# Altium PCB PCB.PcbDoc
Units mil, origin at the board's own origin, x right, y up, seen from the top; angles counter-clockwise.
Board outline 1968.5 x 1968.5 mil, 2 copper layers (Top Layer, Bottom Layer); 63 components, 39 nets, 226 pads, 64 vias.
Unrouted connection lines stored in the file: 153.
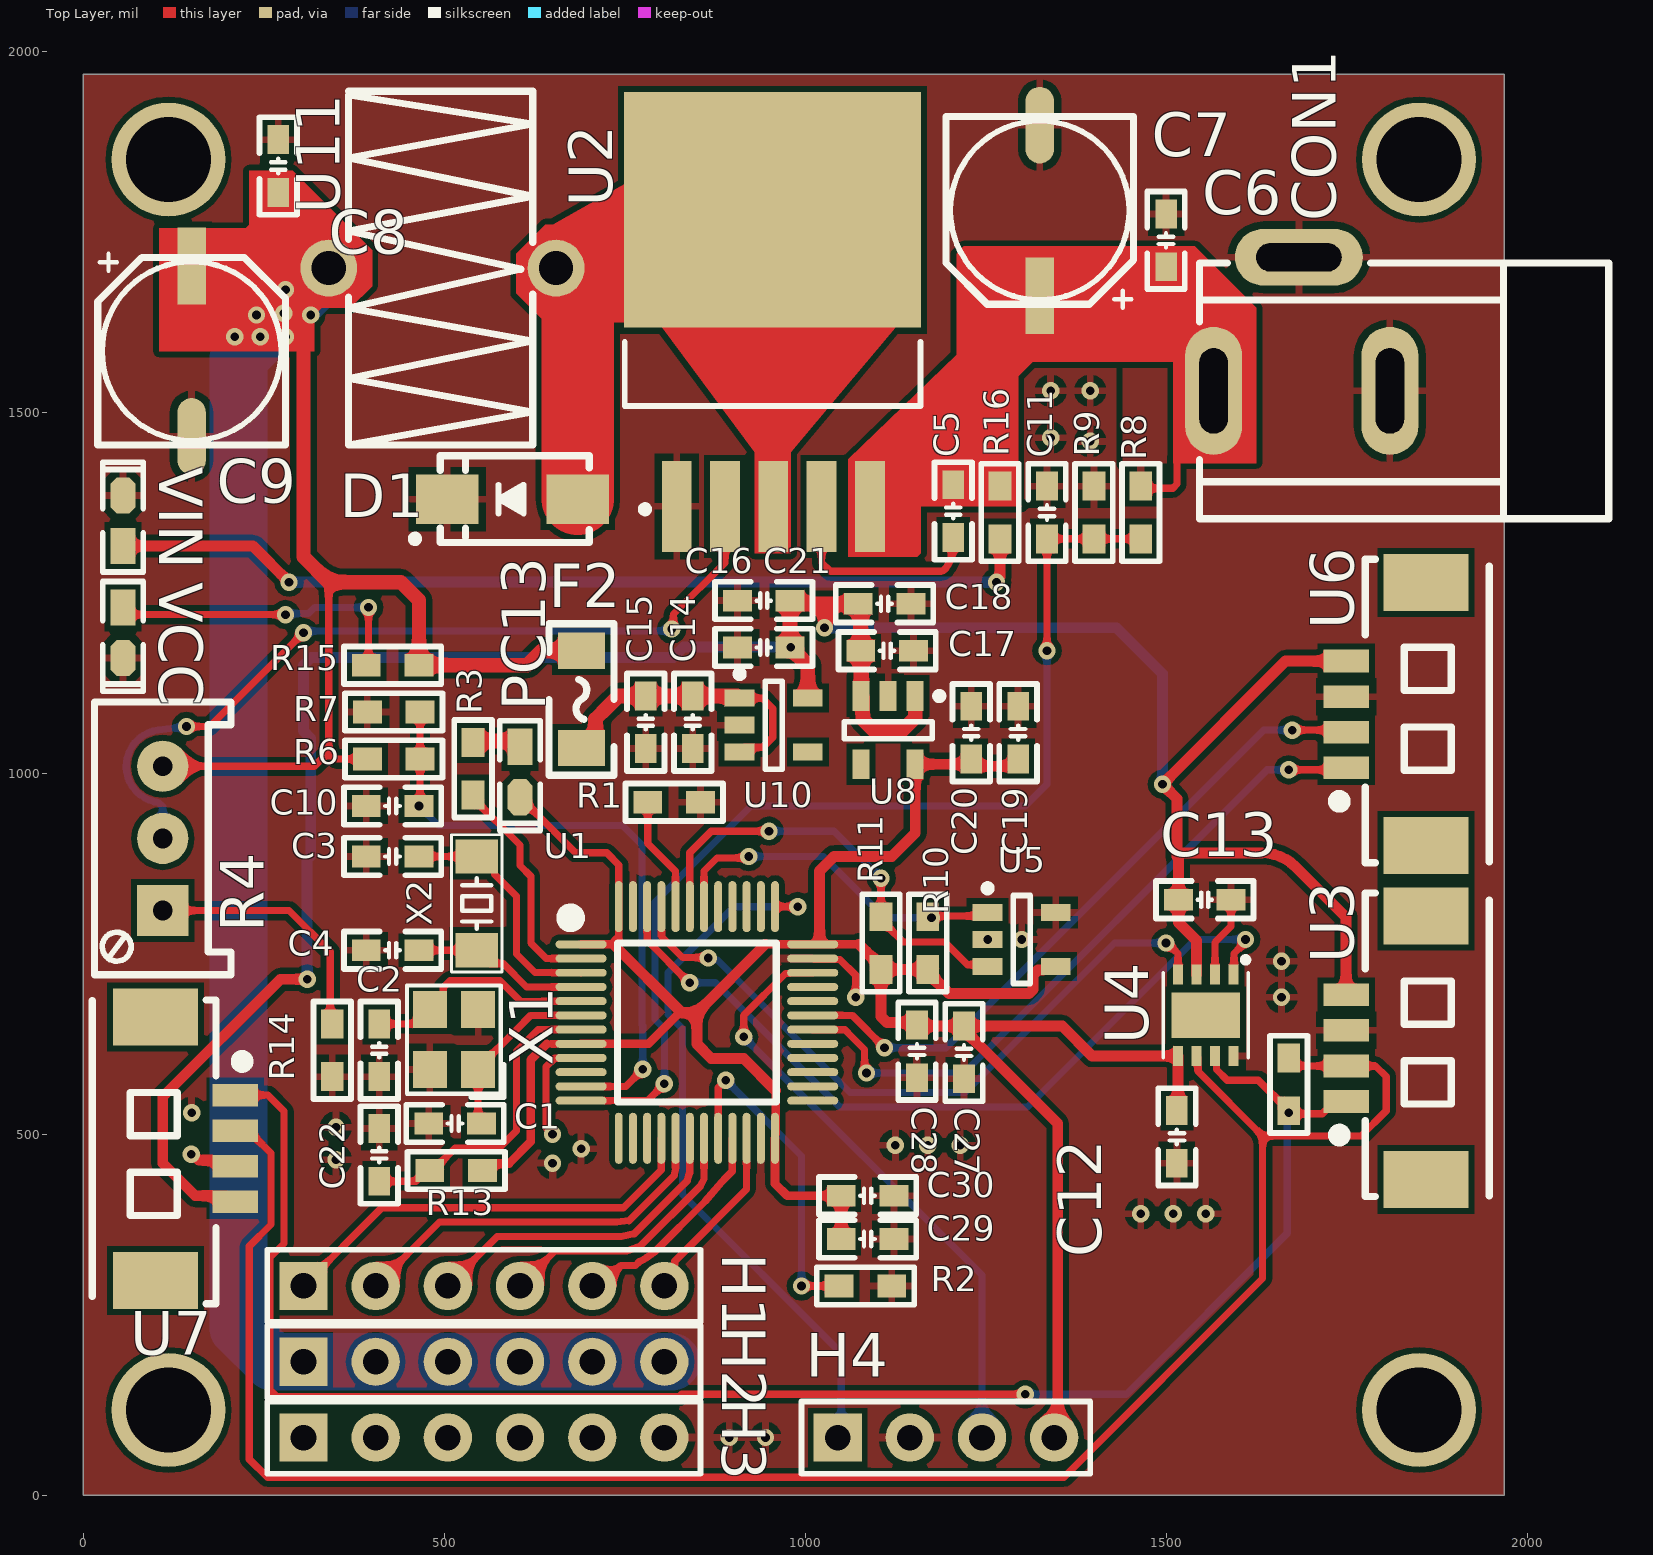
[diagram p0: Top Layer view]
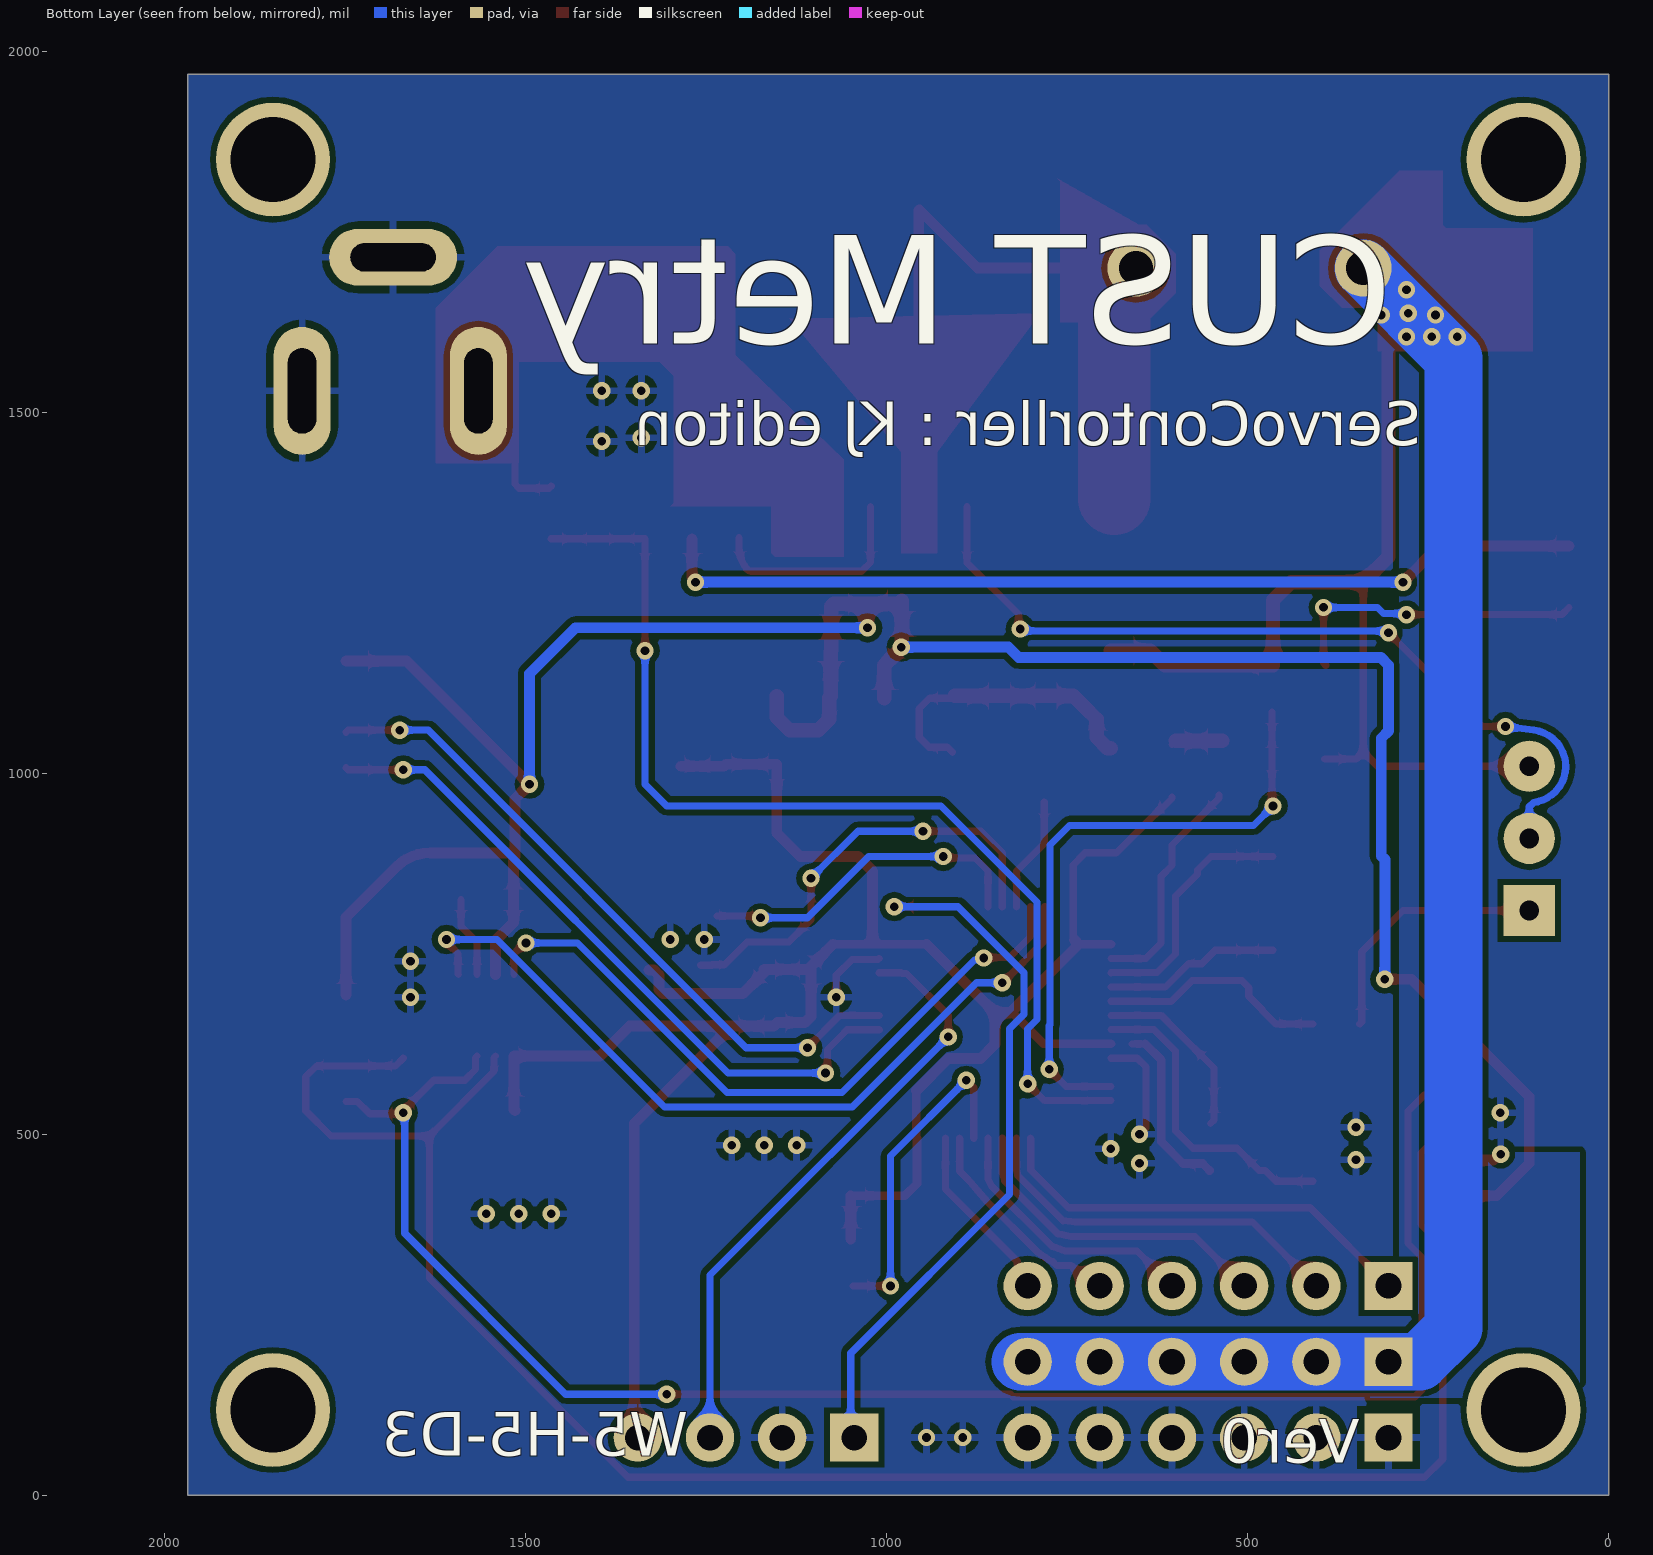
[diagram p1: Bottom Layer view, seen from below]

## Layer stack, top to bottom
Top Solder: solder mask 0.4, Solder Resist, Dk 3.5
Top Layer: signal copper 1.4
Dielectric 1: dielectric 12.6, FR-4, Dk 4.8
Bottom Layer: signal copper 1.4
Bottom Solder: solder mask 0.4, Solder Resist, Dk 3.5

## Board outline
0,0 0,1968.5 1968.5,1968.5 1968.5,0

## Design rules (kind name [scope] priority, off if disabled: settings)
Clearance PadToPad [(IsPad) vs (IsPad)] p1: gap=0.2 ignorepadtopadclearanceinfootprint=TRUE
Clearance [All] p2: gap=8 ignorepadtopadclearanceinfootprint=TRUE except(0: Arc-Text Track-Text SMDPad-Text THPad-Text Via-Text Fill-Text Poly-Text Region-Text Text-Text Text-Hole)
ComponentClearance ComponentClearance_XH2.54 [WithinRoom('RoomHDR') vs WithinRoom('RoomHDR')] p1: gap=-39.37 collisioncheckmode=3 verticalgap=-39.37 showdistances=FALSE
ComponentClearance [All] p2: gap=5 collisioncheckmode=3 verticalgap=5 showdistances=FALSE
HoleSize [All] p1: absolutevalues=TRUE maxlimit=200 minlimit=1 maxpercent=80.000 minpercent=20.000
MinimumSolderMaskSliver [All] p1: minsoldermaskwidth=0
PolygonConnect [All] p1: connectstyle=Relief reliefconductorwidth=10 reliefentries=4 polygonreliefangle="90 Angle" airgapwidth=10
RoutingVias [All] p1: holewidth=12 width=24 viastyle="Through Hole" minholewidth=12 minwidth=24 maxholewidth=28 maxwidth=50
SilkToSilkClearance [All] p1: silktosilkclearance=0
SilkToSolderMaskClearance [IsPad] p1: minsilkscreentomaskgap=0 clearancetoexposedcopper=TRUE
SolderMaskExpansion [All] p1: expansion=4 istentingtop=FALSE
UnRoutedNet [All] p1: checkbadconnections=TRUE
Width [All] p1: maxlimit=200 minlimit=10 preferedwidth=10
24 further rules are at their usual default settings.

## Components (designator, comment, footprint, x,y, rotation, side; value= is the part's Value field where it differs from the comment)
C1 "" C0603_M#1 515,515 r0 top value=100nF
C2 "" C0603_M#1 410,616.5 r90 top value=100nF
C3 "" C0603_M#1 428.5,885 r0 top value=100nF
C4 "" C0603_M#1 428.5,755 r0 top value=100nF
C5 "" C0603_M#1 1205,1363.5 r270 top value=1u
C6 "" C0603_M#1 1500,1738.5 r270 top value=100nF
C7 "" "CE D(6.3*5.4)" 1325,1780 r270 top value=220uF
C8 "" C0603_M#1 270,1841.5 r270 top value=100nF
C9 "" "CE D(6.3*5.4)" 150,1585 r90 top value=220uF
C10 "" C0603_M#1 428.5,955 r0 top value=100nF
C11 "" C0603_M#1 1335,1361.5 r270 top value=100nF
C12 "" C0603_M#1 1515,496.5 r270 top value=100nF
C13 "" C0603_M#1 1553.5,825 r180 top value=100nF
C14 "" C0603_M#1 779.17,1070.95 r90 top value=100nF
C15 "" C0603_M#1 844.17,1070.95 r90 top value=100nF
C16 "" C0603_M#1 942.67,1239.45 r0 top value=100nF
C17 "" C0603_M#1 1113.5,1170 r180 top value=100nF
C18 "" C0603_M#1 1110,1235 r180 top value=100nF
C19 "" C0603_M#2 1167.24,1350.4 r270 top value=100nF
C20 "" C0603_M#1 1230,1056.5 r270 top value=100nF
C21 "" C0603_M#1 942.67,1174.45 r0 top value=100nF
C22 "" C0603_M#1 410,471.5 r270 top value=100nF
C27 "" C0603_M#1 1220,613.5 r90 top value=100nF
C28 "" C0603_M#1 1155,615 r90 top value=100nF
C29 "" C0603_M#1 1086.5,355 r180 top value=100nF
C30 "" C0603_M#1 1086.5,415 r180 top value=100nF
CON1 "3.5*1.3" DC-005 1810,1530 r0 top
D1 "" SMA 594.45,1380 r180 top
F2 "" "FU 1206" 690,1102.5 r270 top
H1 "" HDR2.54-LI-6P 555,290 r0 top
H2 "" HDR2.54-LI-6P 555,185 r0 top
H3 "" HDR2.54-LI-6P 555,80 r0 top
H4 "" HDR2.54-LI-4P 1195,80 r0 top
PC13 "" LED0603_R 604.74,1002 r270 top
R1 "" R0603_M 818.5,960 r0 top value=10k
R2 "" R0603_M 1083.5,290 r180 top value=10k
R3 "" R0603_M 540,1006.5 r270 top value=10k
R4 "" 3296W 110,910 r90 top value=100k
R6 "" R0603_M 430,1020 r180 top value=47k
R7 "" R0603_M 430,1085 r0 top value=4.7k
R8 "" R0603_M 1465,1361.5 r90 top value=47k
R9 "" R0603_M 1400,1361.5 r270 top value=4.7k
R10 "" R0603_M 1105,765 r270 top value=4.7k
R11 "" R0603_M 1170,765 r270 top value=4.7k
R13 "" R0603_M 516.5,450 r0 top value=10k
R14 "" R0603_M 345,616.5 r270 top value=10k
R15 "" R0603_M 428.5,1150 r0 top value=10k
R16 "" R0603_M 1270,1361.5 r90 top value=10k
R17 "" R0603_M 1670,569.25 r270 top value=120
U1 "" LQFP48-7*7 850,655 r270 top locked
U2 "" TO263-5 940,1565 r270 top
U3 "" MX1.25-WT-4P 1860,620 r90 top locked
U4 "" HVSON-8 1555,665 r180 top
U5 "" SOT-23-5 1300,770 r0 top
U6 "" MX1.25-WT-4P 1860,1082.36 r90 top locked
U7 "" MX1.25-WT-4P 100,480 r270 top
U8 "" SOT-23-5 1115,1060 r270 top
U10 "" SOT-23-5 956.42,1066.85 r0 top
U11 "" SLT040125 -902.52,1855 r0 top value=47uH
VCC "" LED0603_R 54.74,1195 r270 top
VIN "" LED0603_R 55.26,1350 r90 top
X1 "" OSC-3225-4P 513.46,631.34 r90 top value=8MHz
X2 "" OSC-3215-2P 545,819.96 r90 top value=32.768kHz

## Footprints (in the part's own frame and the unit in brackets; to place one, negate y for a bottom-side part, rotate by r counter-clockwise, add the part's x,y. Pads: shape width x height; smd on the part's side, far side on the other; paste and mask are expansions set on the pad)
3296W [mm] "Precise Multi-Winding Adjustable Resistor             联系卖家 免费查找封装"
  rect 1.8x1.8 hole 0.7: 1(-2.54,0)
  round 1.8 hole 0.7: 2(0,0) 3(2.54,0)
  silkscreen extent -4.8,-2.4 4.8,2.4, body extent -4.75,-2.4 4.75,2.4, height 2.9
C0603_M#1 [mil] "贴片MLCC电容"
  rect 40x30 smd: 1(-36.5,0) 2(36.5,0)
  silkscreen extent -68,-26 68,26, body extent -31,-16 32,16, height 33
C0603_M#2 [mil] "贴片MLCC电容"
  rect 40x30 smd: 1(257.4,127.76) 2(330.4,127.76)
  silkscreen extent 226,102 361,154, body extent 262,112 325,144, height 33
"CE D(6.3*5.4)" [mm] "贴片电解电容，直径6.3mm，高5.4mm"
  rect 2.7x1 smd: 1(3,0)
  oval 2.7x1 smd: 2(-3,0)
  silkscreen extent -3.3,-3.3 3.43,3.3, body extent -3.5,-3.3 3.5,3.3, height 5.45
DC-005 [mm] "DC母座5.5mm"
  oval 2x4.5 hole 1 slot 3 at 90 deg: 1(-6.2,0) 2(0,0)
  oval 4.5x2 hole 1 slot 3 at 0 deg: 3(-3.2,4.7)
  silkscreen extent -6.7,-4.5 7.7,4.5, body extent -6.55,-4.5 7.5,4.8, height 11.25
"FU 1206" [mil] "贴片保险丝"
  rect 50x65 smd: 2(67.5,0) W(-67.5,0)
  silkscreen extent -105,-45 105,45, body extent -63,-32 63,32, height 34
HDR2.54-LI-4P [mm] "排针，4脚"
  rect 1.7x1.7 hole 0.9: 1(-3.81,0)
  round 1.7 hole 0.9: 2(-1.27,0) 3(1.27,0) 4(3.81,0)
  silkscreen extent -5.08,-1.27 5.08,1.27, body extent -5.08,-1.27 5.08,1.27, height 2.54
HDR2.54-LI-6P [mm] "排针，6脚                        联系卖家 免费查找封装"
  rect 1.7x1.7 hole 0.9: 1(-6.35,0)
  round 1.7 hole 0.9: 2(-3.81,0) 3(-1.27,0) 4(1.27,0) 5(3.81,0) 6(6.35,0)
  silkscreen extent -7.62,-1.27 7.62,1.27, body extent -7.62,-1.27 7.62,1.27, height 2.54
HVSON-8 [mil]
  rect 14x28 smd: 1(-38.39,-56.4) 2(-12.8,-56.4) 3(12.8,-56.4) 4(38.39,-56.4) 5(38.39,56.4) 6(12.8,56.4) 7(-12.8,56.4) 8(-38.39,56.4)
  rect 94.49x62.99 smd: 9(0,0)
  silkscreen extent -59,-81 59,59
LED0603_R [mil] "红色0603LED"
  rect 50x35 smd: 1(-35,0.26)
  oct 50x35 smd: 2(35,0.26)
  silkscreen extent -71,-28 81,28, body extent -32,-16 31,16, height 18
LQFP48-7*7 [mm] "7x7mm，0.5mm"
  oval 0.279x1.8 smd: 1(-2.75,-4.075) 2(-2.25,-4.075) 3(-1.75,-4.075) 4(-1.25,-4.075) 5(-0.75,-4.075) 6(-0.25,-4.075) 7(0.25,-4.075) 8(0.75,-4.075) 9(1.25,-4.075) 10(1.75,-4.075) 11(2.25,-4.075) 12(2.75,-4.075) 25(2.75,4.075) 26(2.25,4.075) 27(1.75,4.075) 28(1.25,4.075) 29(0.75,4.075) 30(0.25,4.075) 31(-0.25,4.075) 32(-0.75,4.075) 33(-1.25,4.075) 34(-1.75,4.075) 35(-2.25,4.075) 36(-2.75,4.075)
  oval 1.8x0.279 smd: 13(4.075,-2.75) 14(4.075,-2.25) 15(4.075,-1.75) 16(4.075,-1.25) 17(4.075,-0.75) 18(4.075,-0.25) 19(4.075,0.25) 20(4.075,0.75) 21(4.075,1.25) 22(4.075,1.75) 23(4.075,2.25) 24(4.075,2.75) 37(-4.075,2.75) 38(-4.075,2.25) 39(-4.075,1.75) 40(-4.075,1.25) 41(-4.075,0.75) 42(-4.075,0.25) 43(-4.075,-0.25) 44(-4.075,-0.75) 45(-4.075,-1.25) 46(-4.075,-1.75) 47(-4.075,-2.25) 48(-4.075,-2.75)
  silkscreen extent -3.93,-4.69 2.79,2.79, body extent -4.5,-4.5 4.5,4.5, height 1.45
MX1.25-WT-4P [mm] "长：10.15mm，宽：4.2mm，高：3.4mm"
  rect 2x3 smd: 0(-4.632,0) 0(4.632,0)
  rect 0.8x1.6 smd: 1(-1.889,2.811) 2(-0.639,2.811) 3(0.611,2.811) 4(1.861,2.811)
  silkscreen extent -5.23,-2.23 5.45,3.25, body extent -5.07,-2.1 5.08,3.09, height 3.4
OSC-3215-2P [mm] "3.2*1.5*0.6mm(长宽高)"
  rect 1.2x1.5 smd: 1(-1.65,0) 2(1.65,0)
  silkscreen extent -2.41,-0.89 2.41,0.89, body extent -1.6,-0.75 1.6,0.75, height 0.61
OSC-3225-4P [mm] "3.2*2.5*0.7mm(长宽高)                             淘宝ID:黄晶宝石"
  rect 1.3x1.2 smd: 1(-1.05,-0.85) 2(1.05,-0.85) 3(1.05,0.85) 4(-1.05,0.85)
  silkscreen extent -2.03,-1.75 1.91,1.65, body extent -1.6,-1.25 1.6,1.25, height 0.7
R0603_M [mil] "1/10W贴片电阻"
  rect 40x31.5 smd: 1(-36.5,0) 2(36.5,0)
  silkscreen extent -68,-26 68,26, body extent -31,-16 32,16, height 16
SLT040125 [mm]
  round 2 hole 1.2: 1(31.56,-3.937) 2(39.56,-3.937)
  silkscreen extent 32.26,-10.16 38.73,2.29
SMA [mm] "4.5x2.6*2.2mm（长宽高，不包括引脚）联系卖家 免费查找封装"
  rect 2.2x1.75 smd: 1(-2.3,0) 2(2.3,0)
  silkscreen extent -2.7,-1.52 3.56,1.52, body extent -2.55,-1.3 2.55,1.3, height 2.15
SOT-23-5 [mm] "SOT23, 5-Leads, Body 2.9x1.6mm, Pitch 0.95mm, IPC Medium Density"
  rect 1.05x0.6 smd: 1(-1.2,0.95) 2(-1.2,0) 3(-1.2,-0.95) 4(1.2,-0.95) 5(1.2,0.95)
  silkscreen extent -1.32,-1.55 0.3,1.92, body extent -1.4,-1.5 1.4,1.5, height 1.15
TO263-5 [mm] "联系卖家 免费查找封装"
  rect 3.2x1.05 smd: 1(4.953,-2.997) 2(4.953,-1.297) 3(4.953,0.403) 4(4.953,2.103) 5(4.953,3.803)
  rect 8.3x10.45 smd: 3(-5.482,0.381)
  silkscreen extent -0.83,-4.82 5.18,5.58, body extent -8.37,-4.57 4.95,5.43, height 4.5

## Part data
C1 C2 C3 C4 C5 C6 C8 C10 C11 C12 C13 C14 C15 C16 C17 C18 C19 C20 C21 C22 C27 C28 C29 C30: library part CC0603KRX7R9BB104, JLCPCB Part Class="Basic Part", LCSC Part Name="100nF ±10% 50V", Manufacturer=YAGEO(国巨), Temperature Coefficient=X7R, Tolerance=±10%, Voltage Rated=50V, Add into BOM=yes, Convert to PCB=yes, Datasheet=https://atta.szlcsc.com/upload/public/pdf/source/20170116/1484561234239.pdf, Device=CC0603KRX7R9BB104, Manufacturer Part=CC0603KRX7R9BB104, Supplier=LCSC, Supplier Footprint=0603, Supplier Part=C14663, Symbol=CC0603KRX7R9BB104
C7 C9: library part 50SEV10M6.3X5.5, Equivalent Series Resistance(ESR)=-, JLCPCB Part Class="Extended Part", LCSC Part Name="10uF ±20% 50V", Lifetime @ Temp=2000hrs@85, Manufacturer=rubycon(红宝石), Operating Temperature=-40~+85, Rated Voltage=50V, Tolerance=±20%, Add into BOM=yes, Convert to PCB=yes, Datasheet=https://atta.szlcsc.com/upload/public/pdf/source/20161125/1480067898590.pdf, Device=50SEV10M6.3X5.5, L=5.5mm, Manufacturer Part=50SEV10M6.3X5.5, Ripple Current=-, Supplier=LCSC, Supplier Footprint=SMD,6.3x5.5mm, Supplier Part=C88809, Symbol=50SEV10M6.3X5.5, φD=6.3mm
CON1: library part P-DC, "低压电源接口", BOM名称=DC电源接口, 联系卖家，免费技术支持=唯一出售店铺网址https://shop463601444.taobao.com
D1: library part SS56_C379835, JLCPCB Part Class="Extended Part", LCSC Part Name=SS56, Add into BOM=yes, Convert to PCB=yes, Datasheet=https://atta.szlcsc.com/upload/public/pdf/source/20190403/C379835_A6104CE7F1A63165C53675BFBA3A1721.pdf, Device=SS56_C379835, Manufacturer Part=SS56, Supplier=LCSC, Supplier Footprint=SMA, Supplier Part=C379835, Symbol=SS56_C379835
F2: library part JK-nSMD050-30, Current Rating (Max)=100A, Hold Current=500mA, JLCPCB Part Class="Extended Part", LCSC Part Name="0.5A 30V 1206 自恢复保险丝 PTC", Manufacturer=JK(金科), Operating Temperature=-40~+85, Operating Voltage (Max)=30V, Power Dissipation=600mW, Resistance - Initial (Ri) (Min)=150m, Resistance - Post Trip (R1) (Max)=300m, Trip Current=1A, Add into BOM=yes, Convert to PCB=yes, Datasheet=https://atta.szlcsc.com/upload/public/pdf/source/20200810/C720075_06AF2D4541537091880CC35F0EFB49F8.pdf, Device=JK-nSMD050-30, Manufacturer Part=JK-nSMD050-30, Maximum Time to Trip=100ms, Supplier=LCSC, Supplier Footprint=1206, Supplier Part=C720075, Symbol=JK-NSMD050-30V
H1 H2 H3: library part Z-211-0611-0021-001, Color=黑色, Current Rating (Max)=-, JLCPCB Part Class="Extended Part", LCSC Part Name=2.54mm, Manufacturer=Nextron(台湾正凌), Add into BOM=yes, Circluar Pins/Square Pins=-, Contact Material=黄铜, Contact Plating=-, Convert to PCB=yes, Datasheet=https://atta.szlcsc.com/upload/public/pdf/source/20180731/C190819_A681B1380B379CDFC378560BE13D8C8F.pdf, Device=Z-211-0611-0021-001, Insulation Height=-, Length of Mating Pin=-, Manufacturer Part=Z-211-0611-0021-001, Mounting Type=直插, Number of Pins=6, Number of Rows=1, Pin Structure=-, Pitch=2.54mm, Row Spacing=-, Supplier=LCSC, Supplier Footprint=插件,P=2.54mm, Supplier Part=C190819, Symbol=Z-211-0611-0021-001, Voltage Rating (Max)=-
H4: library part B-2100S04P-A110, Color=黑色, Current Rating (Max)=-, JLCPCB Part Class="Extended Part", LCSC Part Name="2.54mm 1x4P", Manufacturer=Ckmtw(灿科盟), Operating Temperature Range=-40~+105, Add into BOM=yes, Circluar Pins/Square Pins=-, Contact Material=黄铜, Contact Plating=-, Convert to PCB=yes, Datasheet=https://atta.szlcsc.com/upload/public/pdf/source/20170821/C124378_1503303307508901532.pdf, Device=B-2100S04P-A110, Insulation Height=2.54mm, Length of End Connection Pin=3mm, Length of Mating Pin=6mm, Manufacturer Part=B-2100S04P-A110, Mounting Type=直插, Number of Pins=4, Number of Rows=1, Pin Structure=1x4P, Pitch=2.54mm, Row Spacing=-, Supplier=LCSC, Supplier Footprint=插件,P=2.54mm, Supplier Part=C124378, Symbol=Header-Male-2.54_1x4, Voltage Rating (Max)=-
PC13 VCC VIN: library part 19-217/GHC-YR1S2/3T, Color Temperature=-, Emitted Color=翠绿, Forward Current=20mA, Forward Voltage (VF)=3.3V, JLCPCB Part Class="Basic Part", LCSC Part Name=翠绿LED, Lens Color=无色透明, Manufacturer=EVERLIGHT(台湾亿光), Operating Temperature=-40~+85, Power Dissipation=110mW, Add into BOM=yes, Convert to PCB=yes, Datasheet=https://atta.szlcsc.com/upload/public/pdf/source/20160507/1462613613780.pdf, Device=19-217/GHC-YR1S2/3T, Diode Configuration=-, Dominant Wavelength=520nm~535nm, Luminous Flux (@25℃)=-, Luminous Intensity=285mcd, Manufacturer Part=19-217/GHC-YR1S2/3T, Mounting Sytle=-, Peak Wavelength=518nm, Supplier=LCSC, Supplier Footprint=0603, Supplier Part=C72043, Symbol=19-217/GHC-YR1S2/3T, Viewing Angle=120°
R1 R2 R3 R6 R7 R8 R9: library part RC-01W1002FT, JLCPCB Part Class="Extended Part", LCSC Part Name="10k ±1%", Manufacturer=FH(风华), Operating Temperature Range=-55~+125, Overload Voltage (Max)=25V, Power(Watts)=50mW, Temperature Coefficient=±200ppm/, Tolerance=±1%, Add into BOM=yes, Convert to PCB=yes, Datasheet=https://atta.szlcsc.com/upload/public/pdf/source/20181030/C304501_FF38550671994E5E8FB5233A4E4A9820.pdf, Device=RC-01W1002FT, Manufacturer Part=RC-01W1002FT, Supplier=LCSC, Supplier Footprint=0201, Supplier Part=C304501, Symbol=RC-01W1002FT
R4: library part 3296W-1-104, JLCPCB Part Class="Extended Part", LCSC Part Name="100k ±10%", Manufacturer=BOCHEN(博晨), Temperature Coefficient=±250ppm/, Tolerance=±10%, Add into BOM=yes, Convert to PCB=yes, Datasheet=https://atta.szlcsc.com/upload/public/pdf/source/20171114/C118963_15106326662041117450.pdf, Device=3296W-1-104, Manufacturer Part=3296W-1-104, Supplier=LCSC, Supplier Footprint=插件, Supplier Part=C118963, Symbol=3296W-1-104
R10 R11 R13 R14 R15 R16 R17: library part TR0603B10K0P0525Z, JLCPCB Part Class="Extended Part", LCSC Part Name="10k ±0.1% 100mW", Manufacturer="EVER OHMS(天二科技)", Operating Temperature Range=-55~+155, Overload Voltage (Max)=75V, Power(Watts)=100mW, Temperature Coefficient=±25ppm/, Tolerance=±0.1%, Add into BOM=yes, Convert to PCB=yes, Datasheet=https://atta.szlcsc.com/upload/public/pdf/source/20190415/C188363_433BF05B6FB8F7A0F5F35A3E4390C55A.pdf, Device=TR0603B10K0P0525Z, Manufacturer Part=TR0603B10K0P0525Z, Supplier=LCSC, Supplier Footprint=0603, Supplier Part=C188363, Symbol=TR0603B10KP05250.1W, Type=薄膜电阻
U1: library part STM32F103C8T6, JLCPCB Part Class="Basic Part", Manufacturer=ST(意法半导体), Voltage - Supply (Vcc/Vdd)="2V ~ 3.6V", A/D=10x12bit, Add into BOM=yes, CAN=1, Convert to PCB=yes, Datasheet=https://atta.szlcsc.com/upload/public/pdf/source/20140724/1457707174202.pdf, Device=STM32F103C8T6, I2C（SMBUS/PMBUS）=2, LCSC Part Name=STM32F103C8T6, Manufacturer Part=STM32F103C8T6, Number of I/O=37, Program Memory Size=64KB, PWM=13, RAM Size=20KB, Speed=72MHz, Supplier=LCSC, Supplier Footprint=LQFP-48_7x7x05P, Supplier Part=C8734, Symbol=STM32F103C8T6, UART/USART="3 USART", USB Device=1
U2: library part XL4015E1, Input Voltage=-, JLCPCB Part Class="Extended Part", LCSC Part Name=降压型, Manufacturer=XLSEMI(芯龙), Add into BOM=yes, Convert to PCB=yes, Datasheet=https://atta.szlcsc.com/upload/public/pdf/source/20150618/1457707323461.pdf, Device=XL4015E1, Function=降压型, Manufacturer Part=XL4015E1, Number of Outputs=-, Output Current (Max)=-, Supplier=LCSC, Supplier Footprint=TO-263-5, Supplier Part=C51661, Switching Frequency=-, Symbol=XL4015E1, Synchronous Rectification=-, Topology=-
U3 U6 U7: library part XH2.5-4P-LS_1, JLCPCB Part Class="Extended Part", LCSC Part Name=XH2.5-4P-LS, Add into BOM=yes, Convert to PCB=yes, Datasheet=2021-11-13/272192A/916e3be17c0c414ab50f4328a8cee917/254立贴承认书.pdf, Device=XH2.5-4P-LS_1, Manufacturer Part=XH2.5-4P-LS, Supplier=LCSC, Supplier Footprint=SMD_XH2.5-4P-LS, Supplier Part=C9900001834, Symbol=XH2.5-4P-LS
U4: library part SIT1042TK/3, JLCPCB Part Class="Extended Part", LCSC Part Name=CAN收发器芯片, Manufacturer=SIT(芯力特), Supply Voltage=-, Add into BOM=yes, Convert to PCB=yes, Data Rate=-, Datasheet=https://atta.szlcsc.com/upload/public/pdf/source/20201217/C1121843_88798D5AA5E17D4FE8882F968B4CCD4F.pdf, Device=SIT1042TK/3, Manufacturer Part=SIT1042TK/3, Number of Drivers/Receivers=-, Protocol=-, Supplier=LCSC, Supplier Footprint=HVSON-8, Supplier Part=C1121845, Symbol=SIT1042TK/3, Type=-
U5: library part K24C02_1, JLCPCB Part Class="Extended Part", LCSC Part Name=K24C02, Manufacturer=华虹宏力, Voltage - Supply="1.8V ~ 5.5V", Add into BOM=yes, Convert to PCB=yes, Datasheet=https://atta.szlcsc.com/upload/public/pdf/source/20161024/1477288693549.pdf, Device=K24C02_1, Manufacturer Part=K24C02, Memory Format=EEPROM, Memory Interface=I2C, Memory Size="2Kb (256 x 8)", Supplier=LCSC, Supplier Footprint=SOT-23-5, Supplier Part=C84964, Symbol=K24C02
U8: library part SPX3819M5-L-5-0/TR, Dropout Voltage=700mV@(500mA), JLCPCB Part Class="Extended Part", LCSC Part Name="Vin=16V Vout=5V 500mA", Manufacturer=MaxLinear, Maximum Input Voltage=16V, Output Current=500mA, Output Voltage=5V, Power Supply Rejection Ratio (PRSS)=-, Add into BOM=yes, Convert to PCB=yes, Datasheet=https://atta.szlcsc.com/upload/public/pdf/source/20150720/1457707331934.pdf, Device=SPX3819M5-L-5-0/TR, Manufacturer Part=SPX3819M5-L-5-0/TR, Number of Outputs=1, Output Polarity=正, Output Type=固定, Supplier=LCSC, Supplier Footprint=SOT-23-5, Supplier Part=C13417, Symbol=SPX3819M5-L-5-0/TR
U10: library part SPX3819M5-L-3-3/TR, Dropout Voltage=700mV@(500mA), JLCPCB Part Class="Extended Part", LCSC Part Name="Vin=16V Vout=3.3V 500mA 70dB", Manufacturer=MaxLinear, Maximum Input Voltage=16V, Output Current=500mA, Output Voltage=3.3V, Power Supply Rejection Ratio (PRSS)=70dB, Add into BOM=yes, Convert to PCB=yes, Datasheet=https://atta.szlcsc.com/upload/public/pdf/source/20160421/1461205045150.pdf, Device=SPX3819M5-L-3-3/TR, Manufacturer Part=SPX3819M5-L-3-3/TR, Number of Outputs=1, Output Polarity=正, Output Type=固定, Supplier=LCSC, Supplier Footprint=SOT-23-5, Supplier Part=C9055, Symbol=SPX3819M5-L-3-3/TR
U11: library part SLT040125T470MUB, Current - Saturation (Isat)=-, DC Resistance=42m, JLCPCB Part Class="Extended Part", LCSC Part Name="47uH ±20% 2A 42m", Manufacturer=Sunltech(韩国顺磁), Rated Current=2A, Tolerance=±20%, Add into BOM=yes, Convert to PCB=yes, Datasheet=https://atta.szlcsc.com/upload/public/pdf/source/20181123/C326002_261DE052296031ED64330EFF6DF1C136.pdf, Device=SLT040125T470MUB, Frequency - Self Resonant=-, Lead Spacing=-, Manufacturer Part=SLT040125T470MUB, Q @ Frequency=-, Ratings=-, Supplier=LCSC, Supplier Footprint=插件, Supplier Part=C326002, Symbol=SLT040125T470MUB, Type=磁环电感
X1: library part X32258MSB4SI, Frequency Stability=±30ppm, Frequency Tolerance=±10ppm, JLCPCB Part Class="Extended Part", LCSC Part Name="8MHz ±10ppm 20pF", Load Capacitance=20pF, Manufacturer=YXC扬兴科技, Operating Temperature=-40~+85, Add into BOM=yes, Convert to PCB=yes, Crystal Type=贴片无源晶振, Datasheet=https://atta.szlcsc.com/upload/public/pdf/source/20210106/C2682774_0CD4FDA5D9DA3FBEEC23BD607A48E4B0.pdf, Device=X32258MSB4SI, Manufacturer Part=X32258MSB4SI, Supplier=LCSC, Supplier Footprint=SMD3225-4P, Supplier Part=C2682774, Symbol=X32258MSB4SI
X2: library part G3100327072070CY, Equivalent Series Resistance (ESR)=70k, Frequency Stability=-, Frequency Tolerance=±20ppm, JLCPCB Part Class="Extended Part", LCSC Part Name="32.768kHz ±20ppm 7pF", Load Capacitance=7pF, Manufacturer=JGHC(晶光华), Operating Temperature=-40~+85, Add into BOM=yes, Convert to PCB=yes, Crystal Type=贴片无源晶振, Datasheet=https://atta.szlcsc.com/upload/public/pdf/source/20201023/C909615_5CB83FDF197FE73AFEAD0F20FB1E7116.pdf, Device=G3100327072070CY, Manufacturer Part=G3100327072070CY, Supplier=LCSC, Supplier Footprint=SMD3215-2P, Supplier Part=C909615, Symbol=G3100327072070CY

## Free pads (board coordinates)
  round 157.48 hole 118.11: 1(118.11,118.11) 1(118.11,1850.39) 1(1850.39,118.11) 1(1850.39,1850.39)

## Via types
v1: diameter 24, hole 12, Top Layer to Bottom Layer, 64 vias

## Nets (pads, with @x,y where several pads share a name; then routed paths per layer and width w, separated by ;. In a path a pad name is that pad's centre, name@x,y a point inside that pad or via, vN(x,y) a via of type N, cw(c..) or ccw(c..) an arc to the next point about the centre after c; other vN are vias at no path point)
3V3: C12.1 C19.2 C20.2 C27.2 C28.2 C29.2 C30.2 H4.4 PC13.2 R10.2 R11.2 R13.2 U1.1 U1.8 U1.24 U1.36 U1.48 U4.5 U5.4 U8.5 | length 3620.6
  Top Layer w10: PC13.2 605,965.32 617.5,952.82 619.18,952.82 682,890 725,890 741.73,873.27 U1.48 741.73,770.86 740,769.13 ; 642.03,625.28 U1.8@660.12,625.28
  Top Layer w12: R13.2 562.6,459.6 589.6,459.6 620,490 620,603.25 642.03,625.28 ; U1.8 782.88,625.47 827.41,670 ; U1.1 734.14,763.27 ; 944.77,763.27 U1.36 1074.48,763.27 ; U1.24 958.27,431.73 975,415 C30.2 ; U1.24@959.08,500 959.08,560.92
  Top Layer w15: 740,769.13 734.14,763.27 827.41,670 ; 825.91,668.5 850,668.5 944.77,763.27 ; 850,670 850,625 870,605 915,605 959.08,560.92 ; U1.36@1020,765 1020,865 1040,885 1120,885 1152.4,917.4 U8.5 1222.76,1012.76 1225.51,1010 C19.2@1285,1010 ; C29.2 C30.2 ; 1074.48,763.27 1105,732.75 R10.2 ; U5.4@1329.49,727.6 1322.67,727.6 1315.86,720.79 1315.86,700.86 1310,695 1199.25,695 1170,724.25 R11.2 R10.2 ; H4.4@1350,75 1350,515 1220,645 C27.2 ; C12.1 1516.61,534.61 U4.5 1397.51,608.6 1356.11,650 C27.2 ; R10.2 1105,663.28 1113.28,655 1151.5,655 C28.2 1156.5,650 C27.2
+5V: C13.2 C16.2 C17.2 C18.2 C21.2 U3.4 U4.3 U6.4 U7.4 U8.1 U8.3 U10.5 | length 3793.3
  Top Layer w10: v1@1025,1200 v1(1026.78,1201.78) v1@1028.56,1203.56
  Top Layer w15: U7.4@205.65,406.72 197.41,414.97 155.03,414.97 110,460 110,552.02 272.98,715 v1(310,715) ; 1515,885 1515,965 v1(1495,985) 1665.64,1155.64 U6.4 ; U4.3 1542.2,768.49 1517,793.69 C13.2 1517,890 1632.96,890 cw(c1632.96,824.72) 1679.2,870.8 1749.35,800.65 U3.4
  Top Layer w20: C21.2@979.17,1175 C16.2 983.63,1235 1028.56,1235 ; C21.2@979.31,1174.31 1003.66,1149.97 U10.5 ; v1@1028.56,1203.56 1028.56,1235 ; U8.1 1152.4,1077.6 1134.8,1060 1095,1060 1080,1075 1080,1104.84 U8.3 1077.6,1169.4 C17.2 1077,1231.5 C18.2 1028.56,1235
  Bottom Layer w15: v1(310,715) 310,880.58 315,885.58 315,1048.72 305,1058.72 305,1150 315.61,1160.61 817.33,1160.61 831.72,1175 v1(980,1175) ; v1(1026.78,1201.78) 1431.4,1201.78 1495,1138.18 v1(1495,985)
ADC1: C10.2 R6.1 R7.2 U1.11 | length 868.6
  Top Layer w10: v1(465,955) 466.5,956.5 R6.1 R7.2 ; U1.11 751.42,566.42 v1(775,590)
  Bottom Layer w10: v1(465,955) 492,928 747,928 774,901 774,651.52 775,650.52 v1(775,590)
ADC2: C11.2 R8.1 R9.2 U1.12 | length 1463
  Top Layer w10: U1.12 781.73,546.73 v1(805,570) ; v1(1335,1170) C11.2 R9.2 R8.1
  Bottom Layer w10: v1(805,570) 805,645.97 792,658.97 792,822 925,955 1305,955 1335,985 v1(1335,1170)
CAN_H: R17.2 U3.1 U4.7 U7.1 | length 2379.7
  Top Layer w10: U7.1 255.64,554.36 278,532 278,348.81 258.54,329.34 258.54,146.15 268.15,136.54 825.07,136.54 828.54,140 v1(1305,140) ; U4.7 1569.8,606.6 1569.8,589.98 1584.77,575 1627.75,575 R17.2 1670,528.5 1716.46,528.5 1733.6,545.64 U3.1
  Bottom Layer w10: v1(1305,140) 1445,140 1668,363 1668,528 v1(1670,530)
CAN_L: R17.1 U3.2 U4.6 U7.2 | length 2735.9
  Top Layer w10: U7.2@226.4,505.15 237.15,494.4 239.36,494.4 260,473.77 260,375 230,345 230,50 255,25 1358.54,25 1633.74,300.2 1633.74,497.75 ; U4.6 1544.2,606.6 1544.2,587.28 1633.74,497.75 ; R17.1 1670,605.6 1680.75,594.85 U3.2 1790.15,594.85 1805,580 1805,532.83 1769.92,497.75 1633.74,497.75
CAN_RX: U1.45 U4.4 | length 967.6
  Top Layer w10: U1.45 800.98,815.26 800.98,774.02 830,745 865,745 v1(865.71,744.29) ; v1(1499.82,765.18) 1501.84,765.18 1516.61,750.4 U4.4
  Bottom Layer w10: v1(865.71,744.29) 868.39,741.61 878.39,741.61 1062,558 1221.28,558 1428.46,765.18 v1(1499.82,765.18)
CAN_TX: U1.46 U4.1 | length 1122.9
  Top Layer w10: U1.46 781.1,768.44 839.54,710 v1(840,710) ; U4.1 1594.19,722.2 1594.19,750.4 1610,766.21 v1(1610,770)
  Bottom Layer w10: v1(840,710) 875.96,710 1047.96,538 1308,538 1540,770 v1(1610,770)
GND: C1.1 C2.1 C3.1 C4.1 C6.1 C7.2 C8.1 C9.2 C10.1 C11.1 C12.2 C13.1 C14.1 C15.1 C16.1 C17.1 C18.1 C19.1 C20.1 C21.1 C22.1 C27.1 C28.1 C29.1 C30.1 CON1.2 CON1.3 D1.2 H3.1 H3.2 H3.3 H3.4 H3.5 H3.6 H4.2 R1.2 R2.1 R7.1 R9.1 R14.2 U1.9 U1.23 U1.35 U1.47 U2.1 U3.3 U4.2 U4.8 U5.2 U5.5 U6.3 U7.3 U8.2 U10.2 VCC.2 VIN.2 X1.2 X1.4 | length 431
  Top Layer w10: v1(650,500) 641.12,508.88 641.12,593.77 652.95,605.6 689.36,605.6 U1.9 ; U1.35 1011.42,743.58 1012.6,742.4 1048.04,742.4 1070,720.44 v1(1070,690) ; U4.2 1567.8,765.98 1590,788.18 C13.1
  Top Layer w15: v1(149.69,472.47) 152.13,472.47 160.41,464.19 202.41,464.19 U7.3
  other v1: 895,80 945,80 1465,390 1510,390 1555,390 650,460 350,465 690,480 1125,485 1170,485 1215,485 350,510 150,530 1660,690 1660,740 1252.76,770 1300,770 1395,1460 1340,1465 1340,1530 1395,1530
NetC5_2: C5.2 U2.4 | length 301.2
  Top Layer w10: U2.4 1022.79,1292.21 1035,1280 1186.47,1280 ccw(c1186.43,1290) 1194.17,1283.66 ccw(c1156.72,1314.14) 1205,1314.21 C5.2
NetC14_2: C14.2 C15.2 F2.2 U10.1 U10.3 | length 407
  Top Layer w10: U10.3 915.98,1036.26 941.26,1036.26 955,1050 955,1090 940.74,1104.26 U10.1
  Top Layer w20: F2.2 694.5,1035 709.5,1050 709.5,1075.43 725.7,1091.63 741.52,1107.45 C14.2 C15.2 U10.1@905.98,1107.45
NetD1_1: D1.1 U2.3 U11.2 | length 1004.7
  Top Layer w15: U11.2 874.17,1700 955,1780.83 955.86,1779.97 U2.3@955.86,1370
  Top Layer w100: D1.1 685,1640
NetPC13_1: PC13.1 R3.1 | length 72.1
  Top Layer w10: PC13.1@600,1045 PC13.1@605,1040
  Top Layer w20: R3.1@535,1045 PC13.1@600,1045
NetR1_1: R1.1 U1.44 | length 160.5
  Top Layer w10: R1.1 782,903.03 820.47,864.55 U1.44
NetR2_2: R2.2 U1.20 | length 465.3
  Top Layer w10: U1.20 879.53,564.53 v1(890,575) ; v1(995,290) R2.2
  Bottom Layer w10: v1(890,575) 995,470 v1(995,290)
NetR3_2: R3.2 U1.2 | length 316.6
  Top Layer w10: R3.2 540,965.75 605,900.75 605,872.57 620,857.57 620,765 641.23,743.77 689.36,743.77 U1.2
NetR4_1: R4.1 R14.1 | length 356.9
  Top Layer w10: R4.1 285,810 342,753 342,656 R14.1
NetR4_2: R4.2 U2.2 | length 1166.5
  Top Layer w10: v1(143,1065) 175,1065 v1(305,1195) ; v1(815,1200) 817.68,1202.68 817.68,1220.76 888.93,1292.01 U2.2
  Bottom Layer w10: R4.2 110,953.71 104.14,959.57 98.34,960.93 cw(c110,1010) 103.68,1060.04 v1(143,1065) ; v1(305,1195) 307.5,1197.5 812.5,1197.5 v1(815,1200)
NetR15_1: R15.1 VCC.1 | length 429.5
  Top Layer w10: VCC.1 65,1220 v1(280,1220) ; R15.1 395,1153 v1(395,1230)
  Bottom Layer w10: v1(280,1220) 281.64,1221.64 312,1221.64 320.36,1230 v1(395,1230)
NetR16_1: R16.1 VIN.1 | length 1292.8
  Top Layer w15: VIN.1 235,1315 v1(285,1265) ; v1(1265,1265) 1265,1267.44 1270,1272.44 R16.1
  Bottom Layer w15: v1(285,1265) v1(1265,1265)
NRST: C22.2 R13.1 U1.7 | length 431
  Top Layer w10: C22.2 460.75,435 475.75,450 R13.1 484.25,450 515,480.75 575.75,480.75 600,505 600,615 630.16,645.16 U1.7
OSC32_IN: C3.2 U1.3 X2.2 | length 341.6
  Top Layer w10: C3.2 544.92,885 X2.2 550.91,884.92 569.53,866.3 569.53,860.39 600,829.92 600,750 625.79,724.21 648.21,724.21 648.33,724.09 689.36,724.09 U1.3
OSC32_OUT: C4.2 U1.4 X2.1 | length 245.6
  Top Layer w10: C4.2 X2.1 563.62,736.38 581.94,736.38 614.1,704.21 U1.4
OSC_IN: C2.2 U1.5 X1.3 | length 324.5
  Top Layer w10: C2.2 461.38,653 480,671.62 X1.3 498.62,691.3 498.62,703.62 508.27,713.27 576.76,713.27 605.82,684.21 635,684.21 635.31,684.53 U1.5
OSC_OUT: C1.2 U1.6 X1.1 | length 251.7
  Top Layer w10: C1.2 546.93,519.57 546.93,591.97 600,645.04 619.8,664.84 U1.6
PWM1: H1.1 U1.16 | length 606.2
  Top Layer w10: H1.1 413.46,398.46 748.46,398.46 800.6,450.6 800.6,494.36 U1.16
PWM2: H1.2 U1.17 | length 528
  Top Layer w10: H1.2 493.46,378.46 739.13,378.46 755.92,380.46 818.6,443.14 820.28,450.76 820.28,494.36 U1.17
PWM3: H1.3 U1.18 | length 450.2
  Top Layer w10: H1.3 573.46,358.46 745.51,358.46 763.38,362.46 836.6,435.68 838.76,444.15 840.16,446.6 U1.18
PWM4: H1.4 U1.19 | length 372.9
  Top Layer w10: H1.4 653.46,338.46 752.67,338.46 770.17,344.46 771.36,344.99 854.6,428.23 859.84,438 859.84,440 U1.19
PWM5: H1.5 U1.21 | length 305.3
  Top Layer w10: H1.5 716.61,290 745.07,318.46 764.93,318.46 770.04,323.58 776.88,326.99 cw(c805,290) 782.45,330.62 792.33,337.96 861.23,406.86 884.29,434.16 890.13,440 899.02,448.89 899.02,494.36 U1.21
PWM6: H1.6 U1.22 | length 251.7
  Top Layer w10: H1.6 805,305.4 819.27,319.67 819.27,324.27 918.9,423.9 918.9,440 U1.22
SCL: R11.1 U1.42 U5.1 | length 469
  Top Layer w10: U1.42 859.84,864.68 878,882.84 919.84,882.84 v1(922,885) ; v1(1175,800) 1177.4,802.4 U5.1@1235,802.4
  Bottom Layer w10: v1(922,885) 1025,885 1110,800 v1(1175,800)
SDA: R10.1 U1.43 U5.3 | length 617
  Top Layer w10: U1.43 840.16,865.88 840,866.04 840,890 870,920 v1(950,920) ; v1(1105,855) R10.1 1105,797.25 1135.75,766.5 1193.5,766.5 1225,735 1242.4,735 1241.81,734.41 U5.3@1258.1,734.41
  Bottom Layer w10: v1(950,920) 1040,920 v1(1105,855)
SWCLK: H4.1 U1.37 | length 997.7
  Top Layer w10: U1.37 v1(989.55,815.45) v1@990,815
  Bottom Layer w10: v1(989.55,815.45) 901.51,815.45 810,723.94 810,666.43 830,646.43 830,416.82 1050,196.82 H4.1@1050,75
SWDIO: H4.3 U1.34 | length 848.5
  Top Layer w10: v1(915,635) 915,664.86 972.85,722.71 979.06,722.71 980.24,723.9 U1.34
  Bottom Layer w10: v1(915,635) 1245,305 H4.3 H4.3@1250,75
USART1_RX: U1.31 U6.2 | length 940.9
  Top Layer w10: U1.31 1065.16,664.84 v1(1110,620) ; v1(1675,1060) 1746.56,1060 U6.2
  Bottom Layer w10: v1(1110,620) 1195,620 1635,1060 v1(1675,1060)
USART1_TX: U1.30 U6.1 | length 956.6
  Top Layer w10: U1.30 1010.64,644.97 1055.03,644.97 1065,635 1082.32,617.68 1082.32,587.68 v1(1085,585) ; v1(1670,1005) 1746.35,1005 U6.1
  Bottom Layer w10: v1(1085,585) 1220,585 1640,1005 v1(1670,1005)
VCC: C8.2 C9.1 F2.W H2.1 H2.2 H2.3 H2.4 H2.5 H2.6 R4.3 R6.2 R15.2 U11.1 | length 3483.4
  Top Layer w10: R4.3 320,1010 340,1030 ; 340,1265 340,1030 ; R6.2 350,1020 340,1030
  Top Layer w20: 305,1605 305,1300 340,1265 440,1265 465,1240 R15.2 615,1150 635,1170 F2.W
  Bottom Layer w80: U11.1 215,1575 215,231.86 261.86,185 H2.2 H2.3 H2.4 H2.5 H2.6@815,185
  other v1: 210,1605 245,1605 280,1605 240,1635 315,1635 277.5,1637.5 280,1670
VIN: C5.1 C6.2 C7.1 CON1.1 R8.2 R16.2 U2.5 | length 185.1
  Top Layer w10: C7.1 1325,1647.75 C7.1@1339.69,1633.06 ; R8.2 1468,1395 1509.14,1395 1515,1400.86 1515,1440 ; CON1.1@1539.16,1574.22 1570.92,1542.47 CON1.1@1570.92,1530.01
pads on no net: U1.10 U1.13 U1.14 U1.15 U1.25 U1.26 U1.27 U1.28 U1.29 U1.32 U1.33 U1.38 U1.39 U1.40 U1.41 U3.0 U4.9 U6.0 U7.0 U8.4 U10.4

## Polygon pours and split planes (outlines as drawn)
GND on Top Layer "GND_L01_P002" (solid, pour order 2): 0,0 0,1968.5 1968.5,1968.5 1968.5,0
VIN on Top Layer "VIN_L01_P000" (solid, remove dead copper, pour order 0): 1620,1625 1620,1430 1495,1430 1490,1425 1490,1370 1440,1370 1440,1595 1245,1595 1240,1600 1240,1725 1558.1,1725
GND on Bottom Layer "GND_L02_P003" (solid, pour order 3): 0,0 0,1968.5 1968.5,1968.5 1968.5,0
VCC on Bottom Layer "VCC_L02_P001" (solid, pour order 1): 290,245 330,205 330,135 40,135 40,475 180,475 180,1665 290,1665 290,355

## Other copper
Top Layer:
  region net VCC: 370,1645 400,1675 400,1725 290,1835 230,1835 230,1760 225,1755 105,1755 105,1585 320,1585 320,1635 330,1645 320,1635 330,1645
  region net NetD1_1: 650,1760 640,1760 600,1720 600,1665 640,1625 760,1625 760,1820 765,1825
  region net NetD1_1: 930,1305 930,1450 930,1445 787.5,1637.5 1135,1630 980,1445 980,1305
  region net VIN: 1060,1435 1060,1300 1155,1300 1160,1305 1160,1370 1300,1370 1295,1375 1295,1550 1315,1570 1315,1730 1220,1730 1210,1720 1210,1580
  region net VIN: 1510,1430 1625,1430 1625,1645 1540,1730 1285,1730 1280,1725 1280,1570 1510,1570

## Silkscreen, mask and mechanical layers (free items; w line width, h text height)
Bottom Overlay:
  text "CUST Metry" at 300,1594.98 h150
  text "ServoContorller : KJ editon" at 260,1455 h60
  text "W5-H5-D3" at 1275,55 h60
  text "Ver0" at 345,45 h60
Bottom Solder:
  lines w80: 340,1700 232.5,1592.5 215,1575 215,230 260,185 815,185
Mechanical 1:
  the board outline again, w10